# Altium PCB eeg.PcbDoc (part 2 of 2)
Units mm, origin at the board's own origin, x right, y up, seen from the top; angles counter-clockwise.
Board outline 97.92 x 75 mm, 4 copper layers (Top Layer, Layer 1, Layer 2, Bottom Layer), stack 0.603 mm thick; 186 components, 128 nets, 557 pads, 167 vias.
Unrouted connection lines stored in the file: 2.
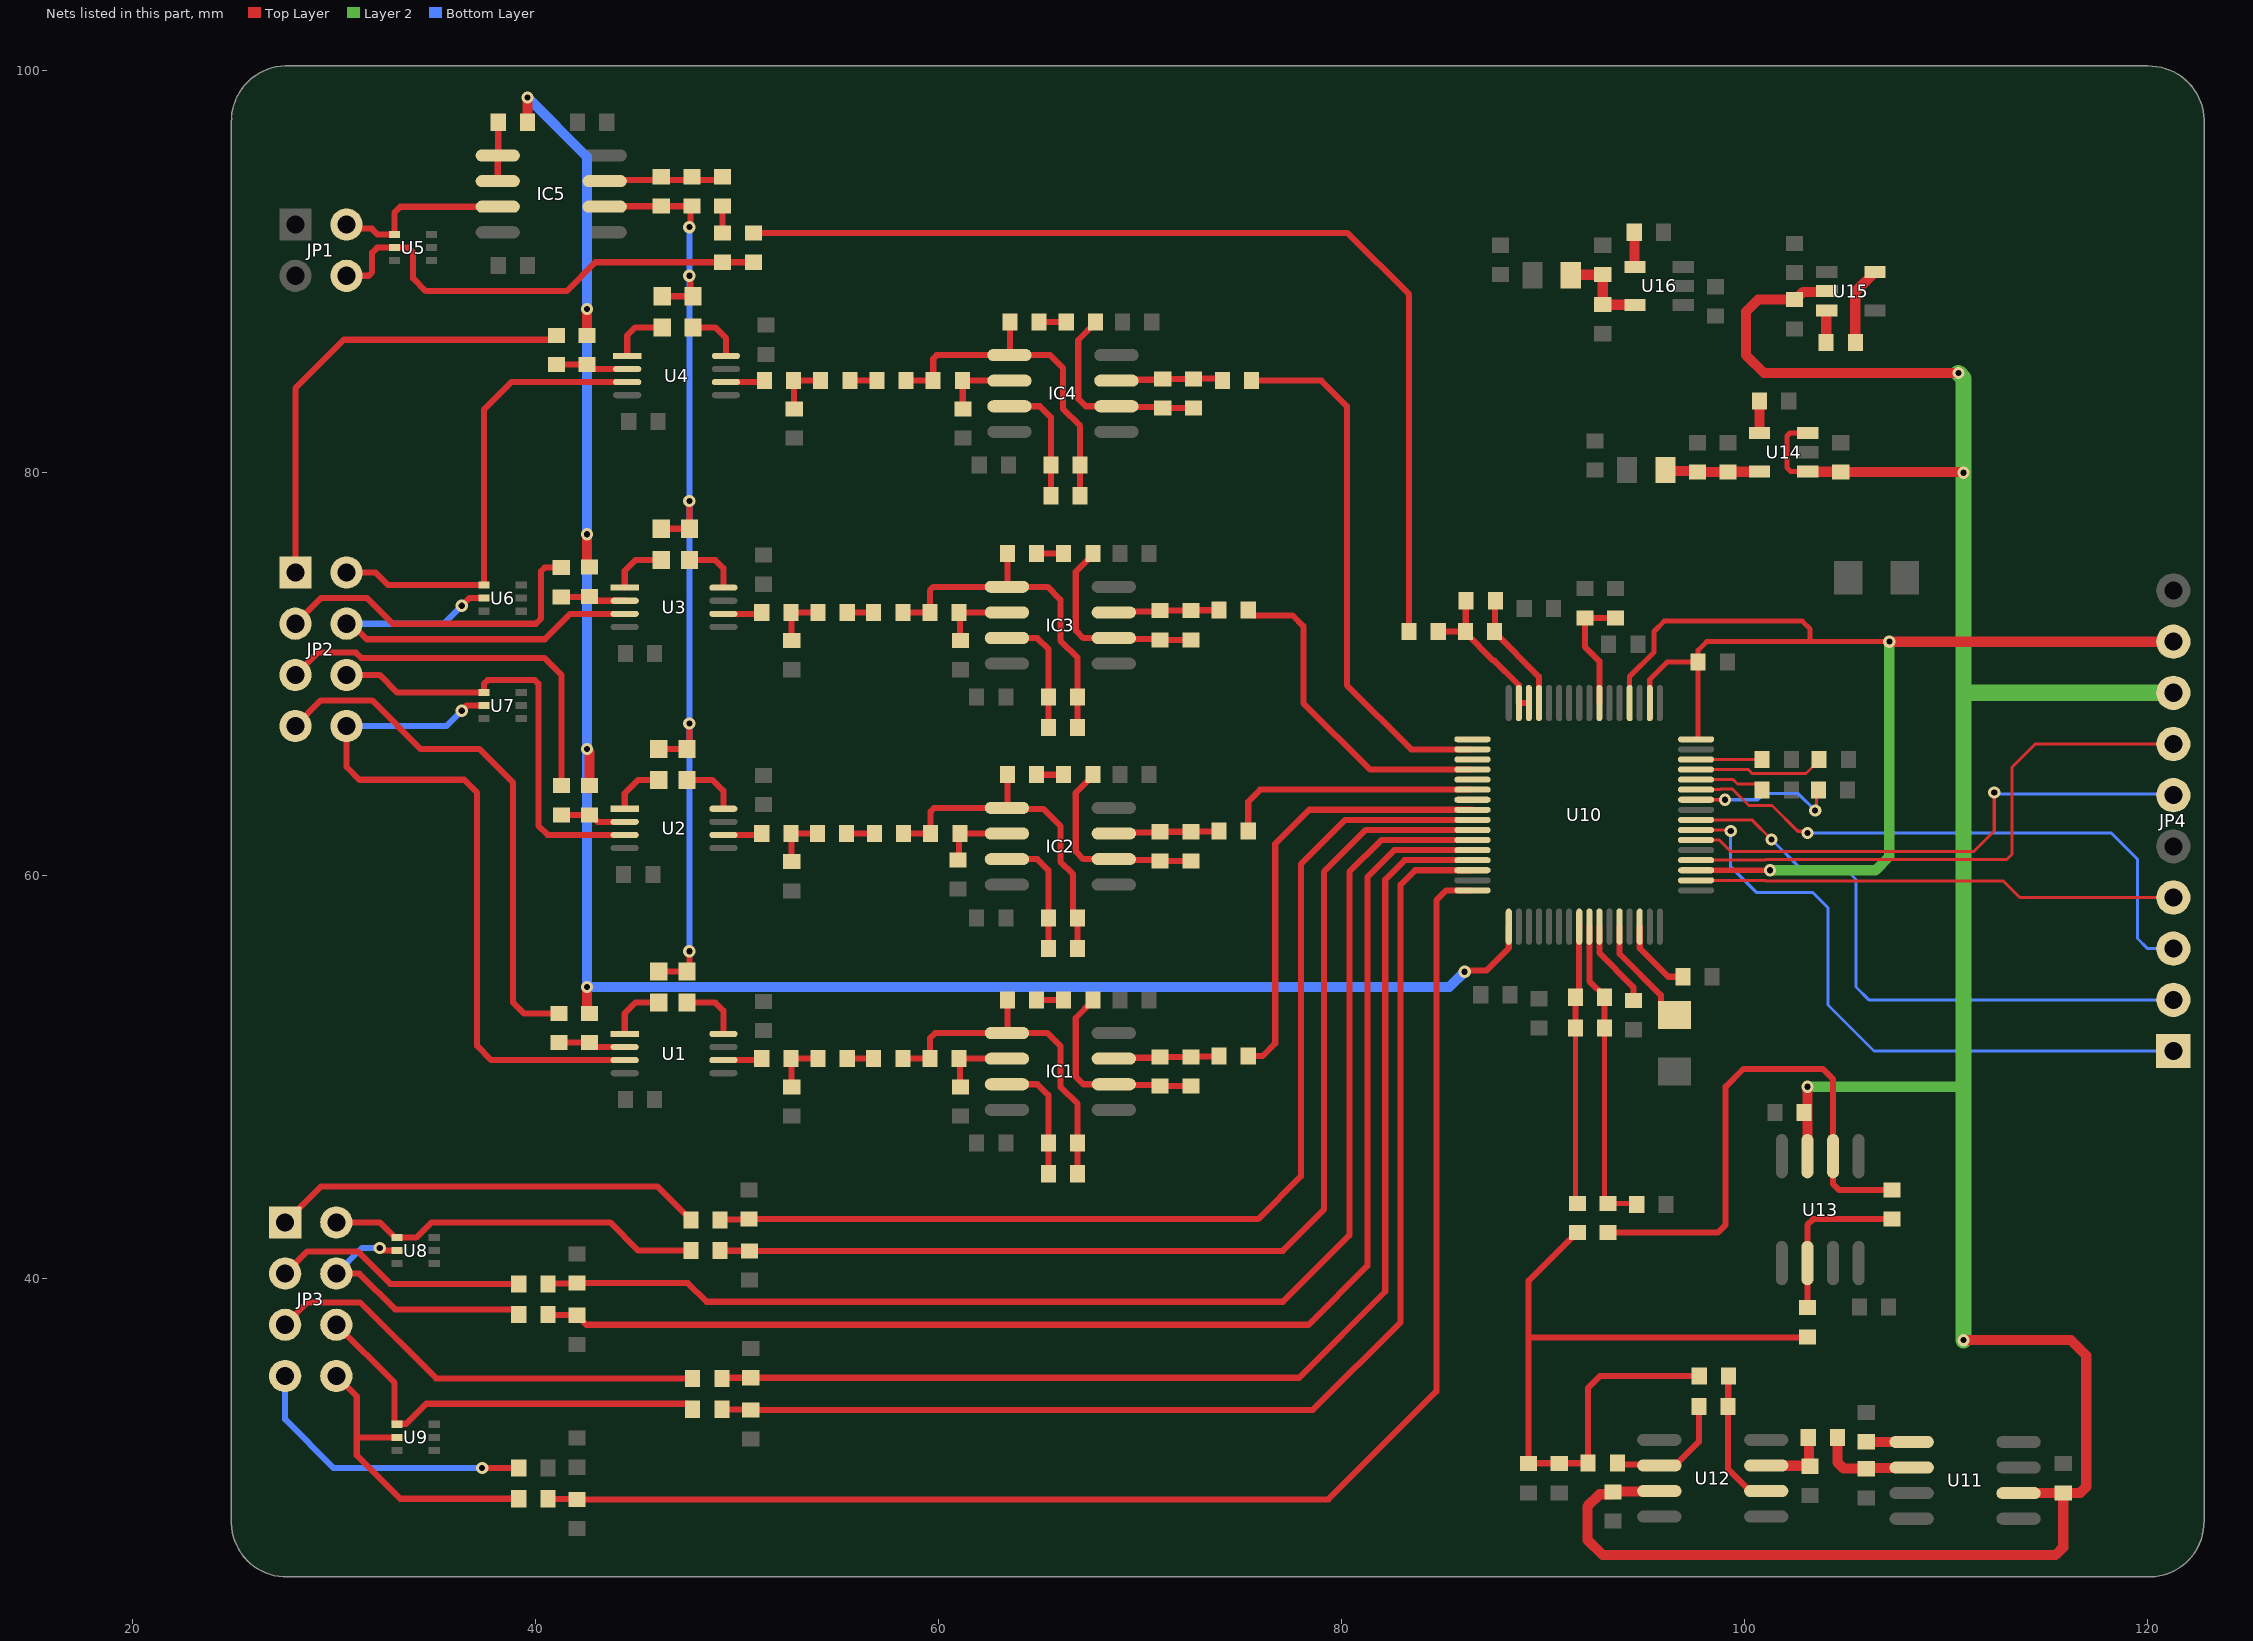
[diagram p4: the nets of this part, all layers, seen from the top]

## Via types
v1: diameter 0.61, hole 0.305, Top Layer to Bottom Layer, tented both sides, 158 vias
v2: diameter 0.457, hole 0.254, Top Layer to Bottom Layer, tented both sides, 5 vias
v3: diameter 4, hole 3.3, Top Layer to Bottom Layer, 4 vias

## Nets (pads, with @x,y where several pads share a name; then routed paths per layer and width w, separated by ;. In a path a pad name is that pad's centre, name@x,y a point inside that pad or via, vN(x,y) a via of type N, cw(c..) or ccw(c..) an arc to the next point about the centre after c; other vN are vias at no path point) (continued)
IN1P: C51.1 R56.2 U10.16 | length 72.7
  Top Layer w0.305: R56.2@40.622,29.065 C51.1@42.018,29.065 ; C51.1@42.037,29.046 79.338,29.046 84.709,34.417 84.709,58.801 85.188,59.28 U10.16@86.497,59.28
  Top Layer w0.508: R56.2@40.603,29.083 R56.2@40.622,29.065 ; C51.1@42.018,29.065 C51.1@42.037,29.046
IN2N: C47.2 R52.2 U10.13 | length 59.9
  Top Layer w0.305: R52.2@49.239,35.052 49.276,35.089 77.888,35.089 82.169,39.37 82.169,59.817 83.132,60.78 U10.13@86.497,60.78
IN2P: C48.1 R54.2 U10.14 | length 61.1
  Top Layer w0.305: R54.2@49.258,33.51 C48.1@50.654,33.51 ; C48.1@50.673,33.491 78.576,33.491 82.931,37.846 82.931,59.563 83.648,60.28 U10.14@86.497,60.28
  Top Layer w0.508: R54.2@49.239,33.528 R54.2@49.258,33.51 ; C48.1@50.654,33.51 C48.1@50.673,33.491
IN3N: C45.2 R44.2 U10.11 | length 66.4
  Top Layer w0.305: R44.2@40.622,39.77 C45.2@42.019,39.77 ; C45.2@42.037,39.788 47.552,39.788 48.478,38.862 77.089,38.862 80.391,42.164 80.391,60.198 81.973,61.78 U10.11@86.497,61.78
  Top Layer w0.508: R44.2@40.55,39.751 R44.2@40.587,39.714 ; R44.2@40.603,39.751 R44.2@40.622,39.77 ; C45.2@42.019,39.77 C45.2@42.037,39.788
IN3P: C46.1 R45.2 U10.12 | length 67.2
  Top Layer w0.305: R45.2@40.622,38.209 C46.1@42.018,38.209 ; C46.1@42.037,38.19 42.087,38.19 42.31,37.967 42.31,37.917 42.508,37.719 78.359,37.719 81.28,40.64 81.28,59.944 82.616,61.28 U10.12@86.497,61.28
  Top Layer w0.508: R45.2@40.603,38.227 R45.2@40.622,38.209 ; C46.1@42.018,38.209 C46.1@42.037,38.19
IN4N: C42.2 R41.2 U10.9 | length 54.6
  Top Layer w0.305: R41.2@49.168,42.945 C42.2@50.564,42.945 ; C42.2@50.583,42.963 75.856,42.963 77.978,45.085 77.978,60.579 80.179,62.78 U10.9@86.497,62.78
  Top Layer w0.508: R41.2@49.149,42.926 R41.2@49.168,42.945 ; C42.2@50.564,42.945 C42.2@50.583,42.963
IN4P: C43.1 R43.2 U10.10 | length 55.8
  Top Layer w0.305: R43.2@49.156,41.395 C43.1@50.602,41.395 ; C43.1@50.609,41.389 77.076,41.389 79.121,43.434 79.121,60.198 81.203,62.28 U10.10@86.497,62.28
  Top Layer w0.508: R43.2@49.149,41.402 R43.2@49.156,41.395 ; C43.1@50.602,41.395 C43.1@50.609,41.389
IN5_N: R4.2 R51.2 U1.2 | length 3.4
  Top Layer w0.305: R51.2@41.148,51.726 42.533,51.726 42.753,51.506 U1.2@44.413,51.506
IN5_P: JP2.8 U1.3 U7.5 | length 36.5
  Top Layer w0.305: JP2.8@30.607,67.437 30.607,65.405 31.242,64.77 36.449,64.77 37.084,64.135 37.084,51.562 37.79,50.856 U1.3@44.413,50.856 ; v1(36.322,68.199) 36.576,68.453 U7.5@37.429,68.453
  Bottom Layer w0.305: JP2.8@30.607,67.437 35.56,67.437 v1(36.322,68.199)
IN5N: U10.7
IN5P: R5.1 U10.8 | length 22
  Top Layer w0.305: R5.1@75.364,51.054 76.073,51.054 76.708,51.689 76.708,61.595 78.393,63.28 U10.8@86.497,63.28
IN6_N: R14.2 R50.2 U2.2 | length 3.3
  Top Layer w0.305: R50.2@41.275,63.029 R14.2@42.672,63.029 42.722,63.029 43.069,62.682 U2.2@44.413,62.682
IN6_P: JP2.6 U2.3 U7.4 | length 22
  Top Layer w0.305: JP2.6@30.607,69.977 32.249,69.977 33.123,69.103 U7.4@37.429,69.103 37.429,69.544 37.608,69.723 39.953,69.723 40.132,69.544 40.132,62.484 40.584,62.032 40.965,62.032 U2.3@44.413,62.032
IN6N: U10.5
IN6P: R15.1 U10.6 | length 12.8
  Top Layer w0.305: R15.1@75.364,62.23 75.364,63.68 75.964,64.28 U10.6@86.497,64.28
IN7_N: R24.2 R49.2 U3.2 | length 3.3
  Top Layer w0.305: R49.2@41.264,73.852 42.647,73.852 R24.2@42.672,73.877 42.892,73.657 U3.2@44.413,73.657
IN7_P: JP2.4 U3.3 U6.5 | length 22
  Top Layer w0.305: JP2.4@30.607,72.517 30.841,72.517 31.613,71.745 40.45,71.745 41.712,73.007 U3.3@44.413,73.007 ; v1(36.322,73.406) 36.703,73.787 U6.5@37.429,73.787
  Bottom Layer w0.305: JP2.4@30.607,72.517 35.433,72.517 v1(36.322,73.406)
IN7N: U10.3
IN7P: R25.1 U10.4 | length 16.7
  Top Layer w0.305: R25.1@75.364,73.205 75.364,73.155 75.587,72.932 77.563,72.932 78.105,72.39 78.105,68.58 81.403,65.282 86.495,65.282 U10.4@86.497,65.28
IN8_N: R34.2 R48.2 U4.2 | length 3.6
  Top Layer w0.305: R48.2@41.021,85.381 R34.2@42.545,85.381 42.765,85.161 U4.2@44.54,85.161
IN8_P: JP2.2 U4.3 U6.4 | length 23.5
  Top Layer w0.305: JP2.2@30.607,75.057 32.052,75.057 32.672,74.437 U6.4@37.429,74.437 37.429,83.149 38.791,84.511 U4.3@44.54,84.511
IN8N: U10.1
IN8P: R35.1 U10.2 | length 26.7
  Top Layer w0.305: R35.1@75.528,84.582 78.994,84.582 80.264,83.312 80.264,69.469 83.453,66.28 U10.2@86.497,66.28
InPinN1: JP3.7 R55.1 | length 14.8
  Top Layer w0.305: v1(37.338,30.607) R55.1@39.153,30.607
  Bottom Layer w0.305: JP3.7@27.559,35.179 27.559,33.02 29.972,30.607 v1(37.338,30.607)
InPinN2: JP3.5 R52.1 | length 22.2
  Top Layer w0.305: JP3.5@27.559,37.719 28.664,38.824 31.28,38.824 35.052,35.052 R52.1@47.789,35.052
InPinN3: JP3.3 R44.1 | length 12.7
  Top Layer w0.305: JP3.3@27.559,40.259 28.664,41.364 31.153,41.364 32.766,39.751 R44.1@39.153,39.751
InPinN4: JP3.1 R41.1 | length 21.6
  Top Layer w0.305: JP3.1@27.559,42.799 29.337,44.577 46.048,44.577 47.426,43.199 47.476,43.199 47.699,42.976 R41.1@47.699,42.926
InPinP1: JP3.8 R56.1 U9.5 | length 15.3
  Top Layer w0.305: JP3.8@30.099,35.179 31.115,34.163 31.115,32.131 ; U9.5@33.111,32.131 31.115,32.131 ; R56.1@39.153,29.083 33.274,29.083 31.115,31.242 31.115,32.131
InPinP2: JP3.6 R54.1 U9.4 | length 21.5
  Top Layer w0.305: JP3.6@30.099,37.719 32.988,34.83 32.988,32.804 33.011,32.781 U9.4@33.111,32.781 ; U9.4@33.134,32.804 33.566,32.804 34.563,33.801 47.566,33.801 47.789,33.578 R54.1@47.789,33.528
InPinP3: JP3.4 R45.1 U8.5 | length 13.5
  Top Layer w0.305: JP3.4@30.099,40.259 31.242,40.259 33.02,38.481 38.93,38.481 39.153,38.258 R45.1@39.153,38.227 ; v1(32.258,41.529) 32.385,41.402 U8.5@33.111,41.402
  Bottom Layer w0.305: JP3.4@30.099,40.259 31.369,41.529 v1(32.258,41.529)
InPinP4: JP3.2 R43.1 U8.4 | length 18.8
  Top Layer w0.305: JP3.2@30.099,42.799 32.264,42.799 33.011,42.052 U8.4@33.111,42.052 34.08,42.052 34.827,42.799 43.688,42.799 45.085,41.402 R43.1@47.699,41.402
NetC1_1: C1.1 IC1.3 R1.2 | length 6.2
  Top Layer w0.305: IC1.3@63.386,49.657 64.897,49.657 65.442,49.112 R1.2@65.442,46.736 C1.1@65.442,45.212
NetC1_2: C1.2 C4.1 IC1.1 R1.1 R7.1 R8.2 | length 17.6
  Top Layer w0.305: R7.1@58.219,50.927 R8.2@59.563,50.927 59.563,51.943 59.817,52.197 IC1.1@63.386,52.197 ; C4.1@63.41,53.848 63.41,52.221 IC1.1@63.386,52.197 ; C1.2@66.892,45.212 R1.1@66.892,46.736 66.892,48.678 66.04,49.53 66.04,51.562 65.405,52.197 IC1.1@63.386,52.197
NetC4_2: C4.2 R6.2 | length 1.3
  Top Layer w0.305: C4.2@64.86,53.848 R6.2@66.204,53.848
NetC5_1: C5.1 U1.6 | length 1.9
  Top Layer w0.305: U1.6@49.313,50.856 51.147,50.856 C5.1@51.218,50.927
NetC5_2: C5.2 C6.1 R9.2 | length 2.8
  Top Layer w0.305: R9.2@52.705,49.53 52.687,49.548 52.687,50.908 C5.2@52.668,50.927 C6.1@54.012,50.927
NetC6_2: C6.2 R7.2 | length 1.3
  Top Layer w0.305: C6.2@55.462,50.927 R7.2@56.769,50.927
NetC7_2: C7.2 IC1.2 R8.1 | length 3.8
  Top Layer w0.305: C7.2@61.087,49.53 61.05,49.567 61.05,50.89 R8.1@61.013,50.927 IC1.2@63.386,50.927
NetC9_1: C9.1 IC1.6 R6.1 R10.2 | length 10.1
  Top Layer w0.305: R6.1@67.654,53.848 67.654,53.798 66.802,52.946 66.802,50.038 67.183,49.657 IC1.6@68.694,49.657 68.739,49.612 70.948,49.612 C9.1@70.993,49.567 R10.2@72.517,49.567
NetC9_2: C9.2 IC1.7 R5.2 R10.1 | length 5.3
  Top Layer w0.305: IC1.7@68.694,50.927 68.739,50.972 70.948,50.972 C9.2@70.993,51.017 R10.1@72.517,51.017 72.536,51.035 73.895,51.035 R5.2@73.914,51.054
NetC11_1: C11.1 IC2.3 R11.2 | length 6.2
  Top Layer w0.305: IC2.3@63.386,60.833 64.897,60.833 65.442,60.288 R11.2@65.442,57.912 C11.1@65.442,56.388
NetC11_2: C11.2 C14.1 IC2.1 R11.1 R17.1 R18.2 | length 17.4
  Top Layer w0.305: R17.1@58.256,62.103 R18.2@59.6,62.103 59.6,63.194 59.779,63.373 IC2.1@63.386,63.373 ; C14.1@63.41,65.024 63.41,63.397 IC2.1@63.386,63.373 ; C11.2@66.892,56.388 R11.1@66.892,57.912 66.675,58.129 66.675,60.071 66.04,60.706 66.04,62.484 65.197,63.327 63.432,63.327 IC2.1@63.386,63.373
NetC14_2: C14.2 R16.2 | length 1.3
  Top Layer w0.305: C14.2@64.86,65.024 R16.2@66.204,65.024
NetC15_1: C15.1 U2.6 | length 1.9
  Top Layer w0.305: U2.6@49.313,62.032 51.147,62.032 C15.1@51.218,62.103
NetC15_2: C15.2 C16.1 R19.2 | length 2.7
  Top Layer w0.305: R19.2@52.705,60.706 52.687,60.724 52.687,62.084 C15.2@52.668,62.103 C16.1@53.975,62.103
NetC16_2: C16.2 R17.2 | length 1.4
  Top Layer w0.305: C16.2@55.425,62.103 R17.2@56.806,62.103
NetC17_2: C17.2 IC2.2 R18.1 | length 3.7
  Top Layer w0.305: C17.2@60.96,60.796 61.005,60.841 61.005,62.058 R18.1@61.05,62.103 IC2.2@63.386,62.103
NetC19_1: C19.1 IC2.6 R16.1 R20.2 | length 10.1
  Top Layer w0.305: R16.1@67.654,65.024 67.654,64.974 66.802,64.122 66.802,61.214 67.183,60.833 IC2.6@68.694,60.833 68.739,60.788 70.948,60.788 C19.1@70.993,60.743 R20.2@72.517,60.743
NetC19_2: C19.2 IC2.7 R15.2 R20.1 | length 5.3
  Top Layer w0.305: IC2.7@68.694,62.103 68.739,62.148 70.948,62.148 C19.2@70.993,62.193 R20.1@72.517,62.193 72.536,62.211 73.895,62.211 R15.2@73.914,62.23
NetC21_1: C21.1 IC3.3 R21.2 | length 6.2
  Top Layer w0.305: IC3.3@63.386,71.808 64.897,71.808 65.442,71.263 R21.2@65.442,68.887 C21.1@65.442,67.363
NetC21_2: C21.2 C24.1 IC3.1 R21.1 R27.1 R28.2 | length 17.6
  Top Layer w0.305: R27.1@58.219,73.078 R28.2@59.563,73.078 59.563,74.169 59.742,74.348 IC3.1@63.386,74.348 ; C24.1@63.41,75.999 63.41,74.372 IC3.1@63.386,74.348 ; C21.2@66.892,67.363 R21.1@66.892,68.887 66.892,70.829 66.04,71.681 66.04,73.713 65.405,74.348 IC3.1@63.386,74.348
NetC24_2: C24.2 R26.2 | length 1.3
  Top Layer w0.305: C24.2@64.86,75.999 R26.2@66.204,75.999
NetC25_1: C25.1 U3.6 | length 1.9
  Top Layer w0.305: U3.6@49.313,73.007 51.147,73.007 C25.1@51.218,73.078
NetC25_2: C25.2 C26.1 R29.2 | length 2.8
  Top Layer w0.305: R29.2@52.705,71.681 52.687,71.699 52.687,73.059 C25.2@52.668,73.078 C26.1@54.012,73.078
NetC26_2: C26.2 R27.2 | length 1.3
  Top Layer w0.305: C26.2@55.462,73.078 R27.2@56.769,73.078
NetC27_2: C27.2 IC3.2 R28.1 | length 3.8
  Top Layer w0.305: C27.2@61.087,71.681 61.05,71.718 61.05,73.041 R28.1@61.013,73.078 IC3.2@63.386,73.078
NetC29_1: C29.1 IC3.6 R26.1 R30.2 | length 10.1
  Top Layer w0.305: R26.1@67.654,75.999 67.654,75.949 66.802,75.097 66.802,72.189 67.183,71.808 IC3.6@68.694,71.808 68.739,71.763 70.948,71.763 C29.1@70.993,71.718 R30.2@72.517,71.718
NetC29_2: C29.2 IC3.7 R25.2 R30.1 | length 5.3
  Top Layer w0.305: IC3.7@68.694,73.078 68.739,73.123 70.948,73.123 C29.2@70.993,73.168 R30.1@72.517,73.168 72.536,73.186 73.895,73.186 R25.2@73.914,73.205
NetC31_1: C31.1 IC4.3 R31.2 | length 6.2
  Top Layer w0.305: IC4.3@63.513,83.312 65.024,83.312 65.569,82.767 R31.2@65.569,80.391 C31.1@65.569,78.867
NetC31_2: C31.2 C34.1 IC4.1 R31.1 R37.1 R38.2 | length 17.6
  Top Layer w0.305: R37.1@58.383,84.582 R38.2@59.727,84.582 59.727,85.673 59.906,85.852 IC4.1@63.513,85.852 ; C34.1@63.537,87.503 63.537,85.876 IC4.1@63.513,85.852 ; C31.2@67.019,78.867 R31.1@67.019,80.391 67.019,82.333 66.167,83.185 66.167,85.217 65.532,85.852 IC4.1@63.513,85.852
NetC34_2: C34.2 R36.2 | length 1.3
  Top Layer w0.305: C34.2@64.987,87.503 R36.2@66.331,87.503
NetC35_1: C35.1 U4.6 | length 1.9
  Top Layer w0.305: U4.6@49.44,84.511 51.274,84.511 C35.1@51.345,84.582
NetC35_2: C35.2 C36.1 R39.2 | length 2.8
  Top Layer w0.305: R39.2@52.832,83.185 52.814,83.203 52.814,84.563 C35.2@52.795,84.582 C36.1@54.139,84.582
NetC36_2: C36.2 R37.2 | length 1.3
  Top Layer w0.305: C36.2@55.589,84.582 R37.2@56.933,84.582
NetC37_2: C37.2 IC4.2 R38.1 | length 3.7
  Top Layer w0.305: C37.2@61.214,83.185 61.195,83.204 61.195,84.563 R38.1@61.177,84.582 IC4.2@63.513,84.582
NetC39_1: C39.1 IC4.6 R36.1 R40.2 | length 10.1
  Top Layer w0.305: R36.1@67.781,87.503 67.781,87.453 66.929,86.601 66.929,83.693 67.31,83.312 IC4.6@68.821,83.312 68.866,83.267 71.075,83.267 C39.1@71.12,83.222 R40.2@72.644,83.222
NetC39_2: C39.2 IC4.7 R35.2 R40.1 | length 5.3
  Top Layer w0.305: IC4.7@68.821,84.582 68.866,84.627 71.075,84.627 C39.2@71.12,84.672 R40.1@72.644,84.672 72.663,84.69 74.022,84.69 R35.2@74.041,84.709
NetC49_2: C49.2 IC5.7 R46.2 R53.1 | length 5.9
  Top Layer w0.305: IC5.7@43.421,94.488 43.477,94.544 49.115,94.544 R46.2@49.276,94.705
NetC52_1: C52.1 R59.2 U10.61 | length 6
  Top Layer w0.305: C52.1@87.63,73.66 87.612,73.642 87.612,72.154 R59.2@87.593,72.136 87.593,72.086 89.795,69.884 89.795,68.582 U10.61@89.797,68.58
NetC52_2: C52.2 R57.1 R59.1 U10.62 U10.63 | length 8.1
  Top Layer w0.305: R57.1@84.799,72.136 R59.1@86.143,72.136 ; C52.2@86.18,73.66 86.162,73.642 86.162,72.154 R59.1@86.143,72.136 ; U10.62@89.297,68.58 U10.63@88.797,68.58 88.795,68.582 88.795,69.476 87.579,70.691 87.538,70.691 86.143,72.086 R59.1@86.143,72.136
NetC53_2: C53.2 C54.2 U10.55 | length 6.1
  Top Layer w0.305: U10.55@92.797,68.58 92.797,70.664 92.075,71.386 C54.2@92.075,72.808 C53.2@93.599,72.808
NetC60_1: C60.1 C61.1 R65.1 R66.1 U10.25 | length 15.6
  Top Layer w0.254: C60.1@93.054,52.451 93.054,43.905 R65.1@93.218,43.741 94.599,43.741 R66.1@94.652,43.688
  Top Layer w0.305: U10.25@92.297,57.48 92.297,54.782 93.054,54.025 C61.1@93.054,53.975 C60.1@93.054,52.451
NetC60_2: C60.2 C61.2 R63.1 U10.24 | length 13.9
  Top Layer w0.254: C60.2@91.604,52.451 91.604,43.855 R63.1@91.715,43.744
  Top Layer w0.305: C60.2@91.604,52.451 C61.2@91.604,53.975 91.788,54.159 91.788,57.471 U10.24@91.797,57.48
NetC62_2: C62.2 U10.26 | length 4.4
  Top Layer w0.305: U10.26@92.797,57.48 92.797,56.174 94.488,54.483 C62.2@94.488,53.811
NetC63_1: C63.1 U10.28 | length 5.6
  Top Layer w0.305: U10.28@93.797,57.48 93.797,56.123 95.847,54.072 95.847,53.637 96.395,53.089 C63.1@96.52,53.089
NetC64_2: C64.2 U10.30 | length 3.8
  Top Layer w0.305: U10.30@94.797,57.48 94.799,57.478 94.799,56.413 96.221,54.991 C64.2@96.938,54.991
NetC65_1: C65.1 R67.1 U12.2 | length 7
  Top Layer w0.305: R67.1@99.202,35.178 99.195,35.171 99.195,33.663 C65.1@99.187,33.655 99.187,30.556 100.279,29.464 U12.2@101.079,29.464
NetC65_2: C65.2 R69.1 U12.6 | length 6.3
  Top Layer w0.305: R69.1@93.689,30.861 93.76,30.79 95.715,30.79 U12.6@95.771,30.734 96.571,30.734 97.737,31.9 C65.2@97.737,33.655
NetC68_2: C68.2 R68.1 U11.6 | length 5.1
  Top Layer w0.508: R68.1@104.611,32.131 104.611,30.886 104.909,30.589 105.874,30.589 105.893,30.57 C68.2@106.045,30.57 106.088,30.613 108.281,30.613 U11.6@108.298,30.631
NetC69_2: C69.2 R68.2 U12.3 | length 3.7
  Top Layer w0.508: U12.3@101.079,30.734 101.097,30.716 C69.2@103.232,30.716 ; R68.2@103.161,32.131 103.206,32.086 103.206,30.742 C69.2@103.232,30.716 ; C69.2@103.27,30.716 C69.2@103.251,30.697 C69.2@103.232,30.716
NetC72_2: C72.2 U11.5 | length 2.3
  Top Layer w0.508: C72.2@106.045,31.914 106.216,31.901 U11.5@108.298,31.901
NetC76_2: C76.2 C77.1 L1.1 U14.5 | length 4.7
  Top Layer w0.508: L1.1@96.073,80.14 96.118,80.095 97.618,80.095 C77.1@97.663,80.05 C76.2@99.187,80.05 99.201,80.065 100.72,80.065 U14.5@100.735,80.079
NetC79_1: C79.1 U14.4 | length 1.6
  Top Layer w0.508: U14.4@100.735,81.979 100.742,81.986 100.742,83.563 C79.1@100.748,83.569
NetC82_1: C82.1 U15.3 | length 1.6
  Top Layer w0.508: C82.1@104.05,86.484 104.056,86.49 104.056,88.047 U15.3@104.083,88.074
NetC82_2: C82.2 U15.5 | length 3.9
  Top Layer w0.508: C82.2@105.5,86.484 105.5,88.991 U15.5@106.483,89.974
NetC83_2: C83.2 C84.1 L2.1 U16.5 | length 4.7
  Top Layer w0.508: L2.1@91.374,89.818 91.392,89.836 92.946,89.836 C84.1@92.964,89.855 C83.2@92.964,88.358 92.976,88.346 94.546,88.346 U16.5@94.558,88.334
NetC87_1: C87.1 U16.4 | length 1.7
  Top Layer w0.508: C87.1@94.525,91.951 94.542,91.935 94.542,90.251 U16.4@94.558,90.234
NetIC5_1: IC5.1 IC5.2 R42.2 | length 2.9
  Top Layer w0.305: IC5.2@38.113,94.488 IC5.1@38.113,95.758 38.137,95.782 R42.2@38.137,97.409
NetJP2_1: JP2.1 R48.1 | length 23.2
  Top Layer w0.305: JP2.1@28.067,75.057 28.067,84.201 30.48,86.614 40.804,86.614 R48.1@41.021,86.831
NetJP2_3: JP2.3 R49.1 | length 16.8
  Top Layer w0.305: JP2.3@28.067,72.517 29.337,73.787 31.623,73.787 32.893,72.517 40.005,72.517 40.259,72.771 40.259,75.124 40.438,75.302 R49.1@41.264,75.302
NetJP2_5: JP2.5 R50.1 | length 19.6
  Top Layer w0.305: JP2.5@28.067,69.977 29.172,71.082 31.065,71.082 31.326,70.821 40.431,70.821 41.275,69.977 R50.1@41.275,64.479
NetJP2_7: JP2.7 R51.1 | length 26.4
  Top Layer w0.305: JP2.7@28.067,67.437 29.337,68.707 31.877,68.707 34.29,66.294 37.211,66.294 38.862,64.643 38.862,53.721 39.407,53.176 R51.1@41.148,53.176
NetR2_1: R2.1 U1.1 | length 2.9
  Top Layer w0.305: U1.1@44.413,52.156 44.413,53.176 44.945,53.708 R2.1@46.101,53.708
NetR3_2: R3.2 U1.8 | length 3.1
  Top Layer w0.305: R3.2@47.498,53.708 48.908,53.708 49.313,53.303 U1.8@49.313,52.156
NetR12_1: R12.1 U2.1 | length 2.7
  Top Layer w0.305: U2.1@44.413,63.332 44.413,64.098 45.072,64.757 R12.1@46.101,64.757
NetR13_2: R13.2 U2.8 | length 2.9
  Top Layer w0.305: R13.2@47.498,64.757 48.781,64.757 49.313,64.225 U2.8@49.313,63.332
NetR22_1: R22.1 U3.1 | length 2.9
  Top Layer w0.305: U3.1@44.413,74.307 44.413,75.147 44.945,75.679 R22.1@46.228,75.679
NetR23_2: R23.2 U3.8 | length 2.8
  Top Layer w0.305: R23.2@47.625,75.679 48.908,75.679 49.313,75.274 U3.8@49.313,74.307
NetR32_1: R32.1 U4.1 | length 2.9
  Top Layer w0.305: U4.1@44.54,85.811 44.54,86.831 44.933,87.224 R32.1@46.28,87.224
NetR33_2: R33.2 U4.8 | length 2.7
  Top Layer w0.305: R33.2@47.804,87.224 48.92,87.224 49.44,86.704 U4.8@49.44,85.811
NetR46_1: R46.1 R47.2 | length 1.3
  Top Layer w0.305: R47.2@49.276,91.911 R46.1@49.276,93.255
NetR57_2: R57.2 R58.2 | length 50.5
  Top Layer w0.305: R58.2@50.8,91.911 80.301,91.911 83.349,88.863 R57.2@83.349,72.136
NetR60_1: R60.1 U10.46 | length 3.3
  Top Layer w0.152: U10.46@97.597,65.78 100.869,65.78 R60.1@100.875,65.786
NetR61_1: R61.1 U10.45 | length 6.5
  Top Layer w0.152: U10.45@97.597,65.28 100.186,65.28 100.384,65.082 103.052,65.082 103.706,65.736 R61.1@103.706,65.786
NetR62_1: R62.1 U10.44 | length 3.5
  Top Layer w0.152: U10.44@97.597,64.78 99.435,64.78 99.655,64.56 100.627,64.56 100.875,64.312 R62.1@100.875,64.262
NetR64_1: R64.1 U10.42 | length 7.5
  Top Layer w0.152: U10.42@97.597,63.78 v1(99.034,63.78) ; v1(103.505,63.246) 103.573,63.314 103.573,64.166 R64.1@103.669,64.262
  Bottom Layer w0.152: v1(99.034,63.78) 100.652,63.78 100.956,64.084 102.667,64.084 v1(103.505,63.246)
NetR70_1: R70.1 R71.2 U13.2 | length 8.4
  Top Layer w0.305: R71.2@103.124,38.571 U13.2@103.124,40.78 103.124,42.672 103.415,42.963 R70.1@107.315,42.963
REF2_5: C70.1 C71.1 R63.2 R67.2 R69.2 R71.1 | length 38.8
  Top Layer w0.305: R63.2@91.715,42.294 91.665,42.294 89.281,39.91 89.281,37.084 ; R67.2@97.752,35.178 92.836,35.178 92.239,34.581 R69.2@92.239,30.861 92.22,30.843 90.805,30.843 89.3,30.843 C70.1@89.281,30.824 89.281,37.084 ; R71.1@103.124,37.121 103.087,37.084 89.281,37.084
REF-2_5: R65.2 R70.2 U13.6 | length 27
  Top Layer w0.305: R65.2@93.218,42.291 98.679,42.291 99.06,42.672 99.06,49.53 99.949,50.419 103.886,50.419 104.394,49.911 U13.6@104.394,46.088 104.394,44.704 104.685,44.413 R70.2@107.315,44.413
REF_CAP: IC5.3 JP1.2 U5.4 | length 8.9
  Top Layer w0.305: JP1.2@30.622,92.329 JP1.2@30.607,92.329 30.808,92.128 31.864,92.128 32.156,91.836 U5.4@32.984,91.836 32.984,92.928 33.274,93.218 IC5.3@38.113,93.218
RESET: JP4.7 U10.36 | length 28.6
  Top Layer w0.152: U10.36@97.597,60.78 101.01,60.78 101.043,60.813 113.01,60.813 113.284,61.087 113.284,65.405 114.427,66.548 JP4.7@121.285,66.548
RL_CAP: JP1.4 R47.1 R58.1 U5.5 | length 23.6
  Top Layer w0.305: JP1.4@30.607,89.789 31.698,89.789 31.877,89.968 31.877,90.932 32.131,91.186 U5.5@32.984,91.186 33.655,91.186 33.909,90.932 33.909,89.662 34.544,89.027 41.529,89.027 42.963,90.461 R47.1@49.276,90.461 R58.1@50.8,90.461
RL_IN: C49.1 IC5.6 R2.2 R3.1 R12.2 R13.1 R22.2 R23.1 R32.2 R33.1 R53.2 | length 51.9
  Top Layer w0.305: IC5.6@43.421,93.218 43.439,93.236 C49.1@47.733,93.236 ; R2.2@46.101,55.258 R3.1@47.498,55.258 47.625,55.385 v1(47.625,56.261) ; R12.2@46.101,66.307 R13.1@47.498,66.307 47.625,66.434 v1(47.625,67.564) ; R22.2@46.228,77.229 R23.1@47.625,77.229 v1(47.625,78.613) ; R32.2@46.28,88.774 R33.1@47.804,88.774 47.683,88.894 47.683,89.731 v1(47.625,89.789) ; v1(47.625,92.202) 47.683,92.26 47.683,93.186 C49.1@47.733,93.236 ; C49.1@47.752,93.255 C49.1@47.733,93.236
  Bottom Layer w0.305: v1(47.625,56.261) v1(47.625,67.564) v1(47.625,78.613) v1(47.625,89.789) v1(47.625,92.202)
SPI3_CLK: JP4.2 U10.40 | length 30.5
  Top Layer w0.152: U10.40@97.597,62.78 100.363,62.78 v1(101.335,61.808)
  Bottom Layer w0.152: v1(101.335,61.808) 102.818,60.325 105.029,60.325 105.537,59.817 105.537,54.483 106.172,53.848 JP4.2@121.285,53.848
SPI3_CS: JP4.1 U10.39 | length 32.1
  Top Layer w0.152: U10.39@97.597,62.28 99.264,62.28 v1(99.314,62.23)
  Bottom Layer w0.152: v1(99.314,62.23) 99.314,60.452 100.584,59.182 103.378,59.182 104.14,58.42 104.14,53.594 106.426,51.308 JP4.1@121.285,51.308
SPI3_MISO: JP4.3 U10.43 | length 29.3
  Top Layer w0.152: U10.43@97.597,64.28 98.78,64.28 98.813,64.313 99.399,64.313 100.221,63.491 101.362,63.491 102.638,62.216 103.037,62.216 v1(103.124,62.128)
  Bottom Layer w0.152: v1(103.124,62.128) 118.212,62.128 119.507,60.833 119.507,56.896 120.015,56.388 JP4.3@121.285,56.388
SPI3_MOSI: JP4.4 U10.34 | length 24
  Top Layer w0.152: U10.34@97.597,59.78 101.01,59.78 101.043,59.747 112.846,59.747 113.665,58.928 JP4.4@121.285,58.928
SRB: R4.1 R14.1 R24.1 R34.1 R42.1 U10.17 | length 100.6
  Top Layer w0.305: v1(86.106,55.245) 86.164,55.303 87.18,55.303 88.297,56.42 U10.17@88.297,57.48
  Top Layer w0.508: R42.1@39.587,97.409 v1(39.587,98.642) ; v1(42.545,54.483) 42.545,53.297 42.666,53.176 R4.1@42.672,53.176 ; v1(42.545,66.294) 42.545,66.267 42.672,66.14 R14.1@42.672,64.352 ; v1(42.545,76.962) 42.545,75.448 42.666,75.327 R24.1@42.672,75.327 ; R34.1@42.545,86.831 v1(42.545,88.138)
  Bottom Layer w0.508: v1(39.587,98.642) 42.545,95.684 v1(42.545,88.138) v1(42.545,76.962) v1(42.545,66.294) v1(42.545,54.483) 85.344,54.483 v1(86.106,55.245)
START: JP4.6 U10.38 | length 26.3
  Top Layer w0.152: U10.38@97.597,61.78 98.748,61.78 99.314,61.214 111.379,61.214 112.395,62.23 v1(112.395,64.135)
  Bottom Layer w0.152: v1(112.395,64.135) 112.459,64.072 JP4.6@121.285,64.072
VCC3_3: C56.2 JP4.9 U10.35 U10.48 U10.50 U10.52 | length 65.5
  Top Layer w0.254: U10.52@94.297,68.58 94.297,69.898 95.504,71.105 95.504,72.136 96.012,72.644 102.87,72.644 103.251,72.263 103.251,71.628 ; U10.50@95.297,68.58 95.297,69.748 96.161,70.612 C56.2@97.7,70.612 ; U10.35@97.597,60.28 v1(101.264,60.28) ; U10.48@97.597,66.78 97.679,66.78 97.7,66.801 C56.2@97.7,70.612 ; v1(107.188,71.628) 103.251,71.628 ; C56.2@97.7,70.612 97.7,71.202 98.126,71.628 103.251,71.628
  Top Layer w0.508: v1(107.188,71.628) JP4.9@121.285,71.628
  Layer 2 w0.508: v1(101.264,60.28) 106.508,60.28 107.188,60.96 v1(107.188,71.628)
VCC5: C66.1 C67.2 C73.2 C75.2 C81.2 JP4.8 U11.2 U12.7 U13.7 U14.1 U14.3 U15.2 | length 147.6
  Top Layer w0.254: U14.1@103.135,80.079 102.293,80.079 102.108,80.264 102.108,81.831 102.257,81.979 U14.3@103.135,81.979
  Top Layer w0.305: C66.1@93.472,29.427 C66.1@93.491,29.446 ; U12.7@95.753,29.446 U12.7@95.771,29.464
  Top Layer w0.508: C66.1@93.472,29.427 93.351,29.306 92.806,29.306 92.202,28.702 92.202,27.051 92.964,26.289 115.443,26.289 115.824,26.67 115.824,29.253 115.938,29.367 115.944,29.367 C67.2@115.951,29.374 ; C66.1@93.491,29.446 U12.7@95.753,29.446 ; C81.2@102.489,88.606 100.671,88.606 100.076,88.011 100.076,85.852 100.965,84.963 v1(110.617,84.963) ; C81.2@102.533,88.612 102.909,88.988 104.047,88.988 U15.2@104.083,89.024 ; U13.7@103.124,46.088 v1(103.124,49.53) ; U14.1@103.135,80.079 103.158,80.056 104.769,80.056 C75.2@104.775,80.05 110.831,80.05 v1(110.871,80.01) ; v1(110.871,36.957) 116.205,36.957 116.967,36.195 116.967,29.672 116.669,29.374 C67.2@115.951,29.374 ; U11.2@113.606,29.361 113.613,29.367 115.817,29.367 C67.2@115.824,29.374 C67.2@115.951,29.374
  Layer 2 w0.508: v1(103.124,49.53) 110.744,49.53 110.871,49.403
  Layer 2 w0.813: v1(110.617,84.963) 110.871,84.709 v1(110.871,80.01) 110.871,69.088 ; v1(110.871,36.957) 110.871,49.403 110.871,69.088 ; JP4.8@121.285,69.088 110.871,69.088
pads on no net: JP1.1 JP1.3 U5.1 U5.2 U5.6 U6.1 U6.2 U6.6 U7.1 U7.2 U7.6 U8.1 U8.2 U8.6 U9.1 U9.2 U9.6 U10.18 U10.27 U10.29 U10.37 U10.64 U11.1 U11.3 U11.7 U11.8 U12.1 U12.5 U12.8 U13.1 U13.5 U13.8
copper on no net:
  other v3: 27.906,28.205 119.789,28.197 27.907,97.199 119.808,97.206

## Polygon pours and split planes (outlines as drawn)
GND on Layer 1 "NONET_L-01_P-001" (solid, pour order 30): 100.457,61.468 100.457,55.626 110.363,55.626 110.49,55.499 110.49,49.657 122.555,49.657 122.555,75.565 108.839,75.565 108.839,72.39 96.901,72.39 96.647,72.136 96.641,65.989 96.645,61.468
AGND on Layer 1 "NONET_L-01_P-001" (solid, remove dead copper, pour order 19): 94.234,68.707 94.234,26.289 33.909,26.289 33.782,26.416 33.909,26.543 33.909,99.568 94.361,99.568
AGND on Layer 1 "NONET_L-01_P-001" (solid, remove dead copper, pour order 21): 92.964,49.53 101.346,49.53 108.585,42.291 108.585,33.782 116.205,33.782 116.205,26.289 92.964,26.289
AGND on Layer 1 "NONET_L-01_P-001" (solid, remove dead copper, pour order 20): 91.44,94.361 108.712,94.361 108.712,78.74 93.853,78.74 91.44,81.153 91.44,81.915
GND on Top Layer "NONET_L-01_P-001" (solid, pour order 31): 107.188,75.692 107.188,73.914 110.236,73.914 110.236,75.692

## Other copper
Top Layer:
  region net AGND: 105.918,73.914 105.918,75.692 102.489,75.692 102.489,73.914
  rectangle net AVSS: 85.725,83.82 88.265,90.17
  rectangle net AVDD: 89.662,77.851 92.964,80.518
Layer 1:
  rectangle net AGND: 92.964,73.914 104.394,75.819
Layer 2:
  rectangle net AVSS: 85.725,82.169 88.265,85.725
  rectangle net AVDD: 89.789,76.962 91.821,79.629

## Silkscreen, mask and mechanical layers (free items; w line width, h text height)
Top Overlay:
  text "REF_CAP" at 31.988,93.599 h1.52 r90
  text "RL选择" at 51.689,92.33 h1.52
  text "R58内部" at 51.689,91.197 h1.52
  text "R33外部" at 51.689,90.054 h1.52
  text "RL_CAP" at 28.829,86.884 h1.52
  text "SRB选择" at 34.544,86.615 h1.52
  text "R34公用SRB" at 32.131,85.345 h1.52
  text "R48单独SRB" at 32.131,84.08 h1.52
  text "N" at 27.559,77.47 h1.52
  text "P" at 30.099,77.47 h1.52
  text "8" at 31.623,74.692 h1.52
  text "GND" at 111.633,73.152 h2.54
  text "7" at 31.623,72.009 h1.52
  text "VCC3.3" at 111.633,70.548 h2.54
  text "6" at 31.623,69.358 h1.52
  text "VCC5" at 111.633,67.946 h2.54
  text "5" at 31.75,66.818 h1.52
  text "RESET" at 111.633,65.343 h2.54
  text "START" at 111.633,62.741 h2.54
  text "DRDY" at 111.633,60.193 h2.54
  text "MOSI" at 111.633,57.591 h2.54
  text "MISO" at 111.633,54.989 h2.54
  text "CLK" at 111.633,52.386 h2.54
  text "CS" at 111.633,49.784 h2.54
  text "N" at 27.051,45.212 h1.52
  text "P" at 29.591,45.212 h1.52
  text "4" at 31.242,42.418 h1.52
  text "3" at 31.242,39.641 h1.52
  text "2" at 31.241,37.084 h1.52
  text "1" at 31.369,34.417 h1.52
Bottom Overlay:
  drawing of 4580 lines, arcs and shapes, not listed
Mechanical 1:
  lines w0.254: 24.891,97.408 24.891,27.867 ccw(c27.622,27.93) 27.685,25.2 120.047,25.2 ; 24.892,97.409 cw(c27.622,97.472) 27.559,100.203 119.921,100.203 ; 120.015,100.203 cw(c120.078,97.472) 122.809,97.536 122.809,28.001 ; 120.142,25.2 ccw(c120.078,27.93) 122.809,27.994
Mechanical 13:
  lines w0.254: 24.906,28.205 27.906,28.205 27.906,25.205 ; 24.907,97.199 27.907,97.199 27.907,100.199 ; 119.789,25.197 119.789,28.197 122.789,28.197 ; 119.808,100.206 119.808,97.206 122.808,97.206 ; 122.714,62.768 125.954,62.768

## Text inside footprints (layer, text, board x,y; h text height)
JP1: Top Overlay "1" at 27.559,94.361 h1.02 r270; Top Overlay "2" at 30.099,94.615 h1.02 r270; Top Overlay "4" at 30.099,88.265 h1.02 r270; Top Overlay "3" at 27.559,88.265 h1.02 r270
JP2: Top Overlay "8" at 29.845,65.913 h1.02 r270; Top Overlay "1" at 27.559,77.089 h1.02 r270; Top Overlay "2" at 30.099,77.343 h1.02 r270; Top Overlay "7" at 27.559,65.913 h1.02 r270
JP3: Top Overlay "8" at 29.337,33.655 h1.02 r270; Top Overlay "1" at 27.051,44.831 h1.02 r270; Top Overlay "2" at 29.591,45.085 h1.02 r270; Top Overlay "7" at 27.051,33.655 h1.02 r270